# KiCad board Rogelio Pineda part 2v2-AMLDC-2044B.kicad_pcb (continued)
## Routing (per net, layer and track width the routed paths; a pad name or vN(x,y) marks a point on that pad's centre or on a via; arc(x,y) is an arc through that point) (continued)
+V TERM: length 42.2
  Top w0.15: 86.27,185.3 87.29,187.3 87.77,188.58 88.35,190.1 88.66,191.63 89.05,193.41 ; J2.13 81.24,176.38 81.92,176.64 82.46,176.8 83.04,177.12 84.26,178.05 85.37,179.15 85.91,179.62 86.53,180.33 87.57,181.35 89,182.53 v1(90.17,183.48) 90.13,183.59 ; 86.32,185.43 86.12,184.91 85.56,184.02 84.89,182.76 84.12,181.81 83.12,180.87 81.9,180.27 80.61,179.5 J2.11 ; 89.05,193.29 89.63,195.88 89.9,197.21 v1(90.09,197.89) 90.09,198
/A77: length 20.5
  Top w0.15: 87.95,255.19 87.36,256.11 87,256.64 85.43,258.93 83.93,260.86 83.09,261.87 82.31,262.52 81.93,262.84 81.11,263.24 80.32,263.42 76.05,263.42 J1.77 ; 87.9,255.27 88.41,254.02 88.58,253.02 88.79,251.05 R36.1
/B49: length 18.5
  Top w0.15: 92.27,119.5 92.27,119.58 90.56,121.52 90.12,122.1 89.41,122.54 88.29,123.09 86.58,123.14 85.61,122.74 85.02,122.45 84.2,122.17 84.2,122.06 84.07,121.93 v1(83.96,121.93) 83.96,121.83 81.97,119.91 80.74,119.5 J2.49
/C14p2: length 7.6
  Top w0.15: C14.2 222.79,390.45 222.79,389.94 222.08,388.53 220.62,386.03 R29.1
/C31p2: length 3.2
  Top w0.25: C31.2 143.58,379.46 R94.2
/C58p1: length 1.9
  Top w0.25: C58.1 125.48,350.54 R71.1
/C58p2: length 20.8
  Top w0.15: C58.2 132.18,347.64 C59.2 132.12,345.88 131.92,341.89 131.92,335.28 C60.2 132.09,331.41 132.09,330.72 C61.2
/C59p1: length 1.7
  Top w0.25: C59.1 125.78,347.69 R51.1
/C60p1: length 2
  Top w0.25: R53.1 125.56,332.92 C60.1
/C61p1: length 2
  Top w0.25: R33.1 125.56,329.74 C61.1
/Pad6p6: length 2.6
  Top w0.15: 273.98,295.5 273.98,295.59 v1(274,295.61) 273.98,295.64 273.98,296.78 273.97,296.79 274.23,297.05 UG4.6
/Pad14p14: length 6.1
  Top w0.15: C12.2 269.12,308.81 267.88,308.61 267.4,308.37 267.39,308.36 267.04,308.02 266.84,307.71 266.61,307.27 UG4.14
/Pad15p15: length 2.7
  Top w0.15: C12.1 264.07,307.95 UG4.15
/Pad77: length 0.1
  Top w0.15: 88.78,248.29 R35.2
/R9p2: length 5
  Top w0.15: R9.2 162.36,351.52 161.19,350.35 160.58,349.49 C43.1
/R10p2: length 3.2
  Top w0.25: 143.38,368.69 143.43,368.74 v2(143.43,368.79) 143.48,368.79 143.53,368.84 R10.2
/R13p2: length 1.9
  Top w0.15: C15.1 201.71,366.69 R13.2
/R34P1: length 23
  Top w0.15: R34.1 86.23,237.93 87.21,236.9 87.76,236.04 R35.1 89.8,233.12 90.3,232.32 90.56,231.89 R15.1 92.59,228.91 92.66,228.77 R16.1 93.93,218.05 v1(94.06,217.92) 94.19,217.8
/R50P2: length 17
  Top w0.15: CR3.1 182.07,379.58 181.95,374.78 181.89,374.03 181.88,373.9 C28.2 181.05,371.68 179.26,369.62 178.43,368.31 177.18,366.37 v1(177.04,364.77)
/R56P2: length 14.5
  Top w0.15: R92.2 93.1,258.6 91.87,260.21 R17.2 90.38,262.53 90.08,263.02 ; R56.2 85.93,268.77 87,267.58 87.53,266.74 88.78,265.1 R36.2 90.23,262.79
/UG4A: length 5.7
  Top w0.15: 280.39,295.44 280.28,295.34 v1(280.2,295.34) 280.2,295.25 279.52,295.27 277.87,295.39 277.35,295.74 277.32,295.74 277.15,296.08 276.85,296.6 276.77,296.69 UG4.7
B1p2: length 12.5
  Top w0.25: UB1.2 150.32,389.4 148.73,390.64 147.58,391.04 146.48,390.94 145.18,390.44 143.65,389.31 R38.2 143.65,385.86 C45.2
B1p3: length 54.5
  Top w0.2: UE1.3 153.85,338.86 154.36,341.67 154.51,347.65 154.42,349.01 154.79,351.91 155.46,353.89 UD1.4 155.8,356.61 155.79,358.17 155.6,358.53 155.62,358.81 154.79,360.13 154.36,360.93 154.36,364.33 154.4,365.25 154.44,364.76 154.44,371.35 154.37,371.42 154.37,379.53 154.39,379.54 154.47,382.82 154.67,384.4 153.69,386.93 152.86,387.66 UB1.3
B1p9: length 6.4
  Top w0.25: UB1.9 160.48,396.96 160.95,397.43 160.97,397.66 R77.2 164.88,399.14 C16.1
B1p10: length 11.9
  Top w0.25: 157.94,395.98 158.25,397.83 157.15,399.16 156.27,399.46 155.25,399.56 153.91,399.6 R77.1
B1p12: length 38.3
  Top w0.25: UD1.8 163.11,364.03 161.1,365.34 159.71,366.7 159.37,367.98 159.23,371.5 159.32,376.66 159.37,385.59 159.16,390.8 158.53,392.04 157.31,392.74 154.79,393.67 153.41,394.66 UB1.12
B1p13: length 33.9
  Top w0.25: UB1.13 151.62,392.24 151.53,386.39 151.48,385.27 151.16,383.3 151.74,380 151.97,378.2 151.85,378.08 151.85,366.44 151.76,366.36 152,364.85 152.92,363.79 UD1.12
B2p4: length 7.4
  Top w0.15: UB2.4 196.15,387.41 195.72,387.14 195.18,386.03 194.52,385.38 193.87,385.1 193.01,384.79 R70.1
B2p5: length 11.3
  Top w0.15: UB2.5 198.78,387.14 199.1,386.71 199.64,385.94 200.69,384.54 201.2,384.18 202.18,383.34 202.24,383.34 202.24,383.13 C13.1 R70.2
B2p10: length 8.7
  Top w0.15: UB2.10 198.69,397.39 199.28,397.96 200.09,398.62 200.7,398.89 201.5,399.14 201.5,399.14 R91.2 204.15,398.94 C30.1
B2p11: length 8.1
  Top w0.15: R91.1 191.99,399.28 192.96,399.28 193.73,399.25 194.61,398.62 196.15,397.45 UB2.11
B2p13: length 50.7
  Top w0.15: UD2.13 191.07,363.04 190.95,363.39 190.97,363.8 190.72,364.52 190.31,365.7 190.24,366.29 189.88,369.28 189.79,369.37 189.79,372.83 189.81,372.86 189.88,379.17 189.36,382.25 189.25,383.75 189.38,384.92 189.5,386.17 189.84,387.59 189.88,390.31 190.81,391.51 192.3,392.46 ; 192.78,391.31 193.44,391.51 193.93,391.67 196.36,392.48 198.92,393.1 200.59,394.32 201.04,395.9 UB2.9 ; 192.78,391.31 192.89,390.9 193.23,389.97 UB2.3 ; 192.78,391.31 192.39,392.3 192.3,392.46 ; 192.3,392.46 192.12,392.73 191.81,393.87 191.53,394.73 UB2.13
B3p6: length 11.1
  Top w0.25: UB3.6 UB3.5 239,385.16 237.73,383.89 234.83,383.89 233.92,384.8 UB3.3
B3p8: length 16.7
  Top w0.25: UB3.8 UB3.9 241.54,392.75 239.83,391.04 235.13,391.04 233.92,392.25 UB3.12 UB3.13
B3p10: length 2.5
  Top w0.25: UB3.10 UB3.11
B4p1: length 23.8
  Top w0.15: UC4.9 273.81,378.06 272.78,379.27 271.83,379.88 270.96,380.95 270.92,382.53 271.15,384.16 UB4.5 271.5,386.36 269.87,388.08 268.24,388.49 267.64,388.57 264.49,388.51 263.95,388.34 263.52,388.12 262.97,387.82 262.67,387.57 262.52,387.37 261.72,386.71 261.72,386.05 UB4.1 261.34,386.13
B4p6: length 4.4
  Top w0.15: C42.1 273.17,382.68 273.57,383.64 UB4.6
B4p7: length 4.8
  Top w0.15: C42.2 278.1,382.57 276.64,384.61 UB4.7
B4p10: length 33.4
  Top w0.15: UB4.10 275.91,391.4 275.35,389.75 275.32,384.56 275.35,384.54 275.35,380.55 275.37,380.52 275.37,375.11 275.35,365.59 274.98,364.32 274.53,362.73 274.4,362.55 UD4.9
B4p14: length 6.5
  Top w0.15: C41.2 269.67,396.65 267.68,396.3 266.63,395.39 266.43,393.3 UB4.14
B4p15: length 2.9
  Top w0.15: 264.12,396.05 C41.1 264.08,393.49 UB4.15
B5p1: length 33.9
  Top w0.15: UD5.1 299.5,353.68 299.8,355.44 300.13,356.73 300.2,357.98 300.24,358.53 300.23,359.27 300.11,359.91 300.13,360.38 300.15,361.22 299.45,363.68 299.59,364.12 299.84,365.68 300.22,367.21 300.25,380.71 300.26,380.72 ; 300.25,380.49 300.26,381.04 299.88,382.56 299.56,383.66 299.25,384.11 298.98,384.29 UB5.1
B5p2: length 9.1
  Top w0.15: UB5.2 301.52,384.33 301.56,384.11 301.66,383.52 301.96,382.26 301.8,379.56 301.59,378.31 UC5.13
B5p10: length 7.7
  Top w0.15: UB5.10 308.98,391.66 308.91,386.48 UB5.5
B6p6: length 7.7
  Top w0.15: UB6.6 356.23,386.2 356.05,386.64 355.97,391.49 UB6.9
B6p11: length 9.5
  Top w0.15: UB6.2 346.43,386.67 346.64,387.24 347.37,387.96 349.05,389.07 349.73,389.83 350.23,390.45 350.31,390.65 350.77,391.73 UB6.11
B8p12: length 9.3
  Top w0.15: UB8.12 421.21,391.34 420.44,390.37 420.44,390.34 419.95,389.95 418.99,389.01 418.35,388.28 417.69,387.36 417.13,386.02 UB8.1
B15: length 17.4
  Top w0.15: 90.47,181.24 90.44,181.2 v1(90.44,181.16) 90.4,181.16 89.97,180.73 88.65,178.42 86.8,176.6 86.46,176.15 86.04,175.78 85.56,175.39 84.95,174.75 83.5,173.96 81.73,173.41 77.11,173.28 J2.15
B19: length 15.2
  Top w0.15: 91.67,168.29 v1(91.48,168.29) 91.21,168.29 89.67,168.24 88.55,168.04 88,167.87 86.83,167.77 85.48,167.61 84.22,167.45 81.68,167.12 J2.19
B23: length 16.5
  Top w0.15: 84.68,162.72 86.62,163.61 89.15,164.75 90.04,165.05 90.98,165.59 v1(91.71,165.9) 91.71,165.94 ; J2.23 81.65,160.98 82.75,161.59 83.64,162.11 84.82,162.81
B25: length 17.2
  Top w0.15: J2.25 81.17,157.47 82.33,157.71 83.53,158.18 ; 91.9,163.62 91.83,163.62 v1(91.75,163.54) 91.67,163.62 90.88,163.32 89.91,162.55 89.41,162.22 88.75,161.9 88.23,161.65 87.81,161.3 87.05,160.62 86.26,160.04 84.42,158.75 83.51,158.18
B27: length 17.6
  Top w0.15: 87.65,156.82 87.37,156.62 85.6,155.32 83.38,154.63 81.6,154.26 J2.27 ; 87.56,156.75 89.15,158.49 89.91,159.27 90.11,159.49 90.63,160.01 v1(91.83,160.64) 91.9,160.68
C0p5: length 28.2
  Top w0.25: UC0.5 122.28,375.09 123.01,376.97 123.93,379.19 123.18,383.19 120.63,386.99 117.29,389.85 R19.1
C0p9: length 17.6
  Top w0.25: 122.64,379.37 122.17,380.14 121.93,381.04 121.23,381.99 120.78,382.34 119.18,383.14 117.18,383.54 114.03,384.04 R49.1 111.18,387.69 CR1.1
C2p2: length 4.3
  Top w0.15: UC2.2 190.98,371.88 191.04,372.58 191.1,374.49 191.08,374.51 v1(191.08,374.62) 190.97,374.62 190.95,374.64
C2p6: length 8.5
  Top w0.15: C15.2 206.91,367.29 206.27,367.38 203.96,367.76 202.22,368.64 201.61,369.17 201.14,369.63 UC2.6
C2p13: length 12.3
  Top w0.15: UC2.13 196.06,377.68 197.42,376.32 198.21,376 199.05,375.93 200.12,375.8 202.08,375.84 204.42,375.91 205.1,376.14 205.82,376.91 UC2.9
C2p14: length 6.2
  Top w0.15: C29.2 196.15,381.87 194.55,380.58 194.09,380.06 193.52,379.1 UC2.14
C3p5: length 30.9
  Top w0.15: UC3.5 239.21,370.47 239.68,369.58 240.1,367.35 240.19,365.37 240.19,362.79 240.21,362.76 240,361.46 238.51,359.53 236.14,358.5 235.21,357.43 235,348.98 234.67,347.68 234.35,346.12 234.18,345.21 233.99,344.56 UE3.12
C3p9: length 13.8
  Top w0.15: UC3.2 231.9,373.2 232.21,374 233.39,375.31 235.66,375.93 238.92,376.55 240.29,377.23 240.94,378.17 UC3.9
C3p13: length 5.6
  Top w0.15: 230.1,374.28 230.04,374.22 v1(230.04,374.31) 230.13,374.31 230.47,375.46 230.94,377.23 231.06,377.61 UC3.13
C4p1: length 11.5
  Top w0.15: UC4.1 261.53,369.5 262.39,370.44 262.67,372.42 262.89,373.09 262.91,374.5 262.98,375.26 v1(262.81,380.07) 262.81,380.13 262.85,380.17
C4p3: length 16.8
  Top w0.15: UD4.2 264.47,354.46 264.89,355.57 265.22,357.97 265.35,358.71 265.47,361.14 265.39,361.22 265.39,363.58 265.35,364.21 265.39,366.2 265.98,367.29 UC4.3
C4p5: length 9.2
  Top w0.15: UC4.5 271.35,367.5 270.9,366.41 270.39,364.95 269.77,363.39 269.45,362.16 UD4.11
C4p13: length 7.6
  Top w0.15: UC4.13 264.15,375.8 264.17,372.79 UC4.2
C5p3: length 19.8
  Top w0.15: UD5.5 309,353.63 309.03,354.15 309.03,354.17 309.25,355.04 309.36,355.65 309.71,356.37 309.79,357.38 v1(310,357.7) 310.02,357.73 310.09,362.02 310,362.78 309.62,363.85 309,364.53 308.22,364.98 307.76,365.19 306.94,365.31 306.26,365.54 305.48,365.89 304.32,366.97 304.11,367.78 UC5.3
C5p4: length 39.4
  Top w0.15: UD5.10 313.5,362.18 313.02,363.72 310.61,365.24 309.78,365.69 308.26,366.42 307.86,366.8 307.81,366.8 306.87,367.74 306.87,368.15 UC5.4 306.4,369.87 306.42,369.89 305.96,371.18 305.61,372.08 305.16,372.63 305.13,372.69 304.57,372.95 303.68,372.92 302.7,372.21 302.69,367.11 302.83,364.02 302.66,362.69 302.52,358.35 302.32,357.58 302.14,356.25 302,355.88 301.82,354.81 301.55,353.33 UD5.2
C6p11: length 8.7
  Top w0.15: UC6.11 350.95,377.63 350.53,378.4 350.09,378.85 349.57,379.3 348.68,379.55 348.09,379.64 347.25,379.77 345.21,379.84 v1(344.67,379.6) 344.63,379.55
C7p5: length 18.5
  Top w0.15: UC7.5 389.77,367.8 389.46,367.03 389.14,366.64 388.78,366.01 388.24,365.22 388.07,365 387.77,364.56 387.55,364.2 387.08,363.41 386.77,362.26 386.61,361.31 386.73,360.72 386.66,360.27 386.36,358.75 385.84,357.64 385.3,356.43 384.4,355.03 383.95,354.11 383.57,353.56 UD7.2
C7p11: length 26.8
  Top w0.15: UC7.11 388.48,375.44 389.2,374.41 390.08,373.3 390.27,372.91 390.99,371.84 391.59,370.22 391.68,369.51 391.62,366.9 391.5,366.23 391.32,365.32 391.06,364.72 390.49,363.75 389.29,362.18 389.08,360.52 389.08,359.89 389.08,358.51 388.69,357.51 387.7,355.82 387.23,355.2 386.96,354.72 386.43,354.03 385.88,353.36 UD7.3
C7p12: length 7.7
  Top w0.15: UC7.3 385.61,370.39 385.71,374.96 385.71,375.95 UC7.12
C7p13: length 13.6
  Top w0.15: 385.13,363.1 v1(385.13,363.12) 384.94,363.78 384.91,363.96 384.65,365.3 384.42,366.14 384.24,367.55 384.29,369.95 384.33,372.68 384.25,373.33 383.97,374.71 382.92,375.99 UC7.13
C8p5: length 19
  Top w0.15: UC8.5 426.71,367.49 427.46,366.54 428.03,365.89 428.73,365.14 429.39,364.41 429.95,363.47 430.07,362.39 430.34,361.44 430.47,359.38 429.71,357.92 428.5,356.2 427.65,354.84 427.37,354.32 426.77,353.45 UD8.5
C8p8: length 19.6
  Top w0.15: UC8.8 430.73,375.36 430.37,375.01 429.72,374.53 428.32,373.35 427.67,373.06 426.62,372.4 426.3,372.07 426,371.71 425.53,370.9 425.22,370.43 425.07,366.5 424.83,365.51 424.68,364.6 424.36,363.13 424.24,362.43 UD8.11
C8p10: length 17.8
  Top w0.25: UB8.11 426.11,390.37 427.41,388.79 427.93,385.97 428.13,384.94 427.78,381.92 427.48,380.47 427.28,379.44 426.84,375.94
D0p2: length 12
  Top w0.2: UD0.2 112.38,355.94 112.1,357.36 111.58,360.44 111.28,362.4 111.25,364.23 111.53,364.98 v1(112.39,366.78) 112.48,366.81
D0p3: length 7.5
  Top w0.2: UD0.3 114.66,353.5 114.15,352.68 113.46,352.05 112.74,351.53 111.37,350.81 110.49,350.91 R71.2
D0p9: length 43
  Top w0.25: UD0.13 113.23,362 113.83,360.99 114.98,360.49 121.73,360.34 ; 121.73,360.34 UD0.9 ; 121.73,360.34 121.28,358.94 120.53,356.59 120.39,355.62 UD0.5 121.88,347.14 122.43,345.89 122.58,345.34 122.64,345.29 122.64,343.66 122.03,342.59 121.43,341.79 120.68,341.39 119.93,341.24 119.18,341.19 118.03,341.14 115.88,341.19 113.93,341.54 112.48,343 112.48,343.66
D0p10: length 8.4
  Top w0.25: UD0.10 120.28,365.09 121.63,366.49 v2(123.83,366.79) 123.93,366.79 v2(125.73,366.84) 125.78,366.84
D1p3: length 40.1
  Top w0.15: UF1.4 155.23,318.66 154.9,319.22 154.84,319.32 154.44,319.68 153.52,320.6 152.53,321.95 151.78,323.53 151.84,325.34 151.94,325.44 151.61,331.66 151.18,332.54 150.89,335.83 UE1.2 151.38,338.83 151.91,341.59 151.88,346 151.84,348.99 151.94,351.65 152.92,353.98 UD1.3
D1p9: length 66.2
  Top w0.15: 155.71,300.72 158.32,304.12 159.34,306.23 159.57,310.21 158.35,312.58 157.96,313.41 157.58,314.15 157.19,315.69 156.92,316.47 156.92,320.57 156.91,320.57 156.92,320.99 156.92,327.82 157,327.9 156.49,330.75 156.49,332.68 157.29,334.79 UE1.5 157.55,338.32 157.06,339.86 156.87,345.46 155.69,347.32 155.46,349.34 155.72,350.88 156.55,352.32 158,353.77 UD1.5 158.6,356.81 159.41,358.48 v1(159.62,359.41) UD1.9
D2p2: length 4.6
  Top w0.15: C44.1 190.07,352.29 191.07,353.29 UD2.2
D2p4: length 56.7
  Top w0.15: 193.52,367.15 192.65,368.41 192.47,368.88 192.42,368.92 192.42,381.16 192.69,381.69 193,382.33 194.02,383.51 194.16,383.64 194.68,384.19 195.92,385.04 197.03,385.23 198.44,384.86 200.75,382.44 v1(200.63,382.27) 200.75,382.25 ; 194.95,338.86 194.93,338.88 v1(194.93,338.94) 194.86,338.94 194.84,338.96 194.84,346.11 194.49,347 194.18,347.97 193.17,349.54 193.27,350.8 193.93,351.79 195.21,352.91 195.88,353.2 195.88,353.75 UD2.4 196.06,354.11 196.06,355.14 195.86,356.3 195.71,357.15 195.36,358.26 195.13,359.34 195.03,359.44 195.03,364.69 194.06,366.28 193.46,367.21
D2p5: length 49.2
  Top w0.15: 195.03,332.56 193.79,331.24 192.53,329.27 192.22,321.79 192.19,321.05 192.19,317.92 192.35,317.48 192.74,314.56 193.16,313.46 194.69,311.25 196.15,309.7 UG2.11 ; 195.03,332.56 197.23,334.84 197.44,337.42 197.44,343.12 197.39,343.75 197.41,349.91 198.18,351.42 ; 195.03,332.56 195,332.43 ; 198.07,351.39 198.52,352.97 UD2.5
D3p6: length 7.9
  Top w0.15: UD3.6 240.89,352.96 239.96,350.61 239.61,350.19 239.14,348.87 C27.1
D3p7: length 7.7
  Top w0.15: C27.2 245.01,349.4 244.68,351.08 244.31,352.59 244.12,353.43 UD3.7
D3p10: length 11.2
  Top w0.15: UD3.10 243.42,361.46 242.38,360.25 240.63,358.97 238.65,357.83 236.88,356.57 UD3.4
D3p14: length 6.1
  Top w0.15: C25.2 236.28,366.33 235.12,365.64 ; UD3.14 233.76,363.93 235.2,365.69
D3p15: length 3.5
  Top w0.15: UD3.15 231.22,363.77 231.27,364.14 C25.1
D5p6: length 5.8
  Top w0.15: UD5.6 311,352.04 310.88,350.84 310.05,350.06 310.05,350.04 309.54,349.77 309.35,349.75 308.66,349.75 308.65,349.74 C24.2
D5p7: length 2.7
  Top w0.15: C24.1 313.72,351.13 UD5.7
D5p14: length 5.8
  Top w0.15: C40.1 306.53,363.25 305.4,362.81 304.85,362.42 304.42,361.94 304.04,361.49 303.74,361.18 UD5.14
D7p5: length 11.7
  Top w0.15: UD7.5 390.51,350.8 390.67,350.2 390.96,349.02 391.3,347.76 391.38,347.19 391.69,346.08 391.9,345.45 392.02,344.9 392.27,343.52 392.45,343.02 392.53,342.65 392.61,341.9 UE7.9
D7p10: length 20.7
  Top w0.15: UE7.8 395.04,342.04 394.93,342.96 ; UD7.10 390.34,359.55 391.03,359.03 391.81,358.14 392.09,357.74 392.35,357.45 392.75,356.99 393.26,356.23 393.65,355.55 393.86,354.98 394.11,354.06 394.09,349.48 394.15,348.69 394.28,347.97 394.31,346.96 394.41,346.29 394.5,345.81 394.64,344.83 394.8,343.76 394.97,342.67
D7p12: length 13.1
  Top w0.15: UD7.12 384.9,359.48 384.76,358.81 384.21,358.13 383.86,357.9 383.56,357.59 383.13,357.16 382.08,355.61 381.94,354.59 381.98,353.16 381.51,352.85 381.73,351.4 381.95,351.24 381.93,350.6 v1(381.81,348.38) 381.93,348.33
D8p9: length 13.4
  Top w0.15: UD8.2 419.5,353.12 419.76,353.62 420.46,354.24 422.24,355.1 423.13,355.36 424.84,355.81 426.45,356.48 427.77,357.59 428.23,358.24 428.45,358.76 UD8.9
D8p13: length 11.2
  Top w0.15: UD8.13 418.91,358.56 418.62,357.97 418.49,357.39 418.11,356.53 418.02,349.29 417.72,349 v1(417.72,348.94) 417.67,348.94 417.6,348.87
DCHI: length 244.4
  Top w0.15: v1(102.46,356.67) 103.17,355.61 103.57,354.38 104.39,351.14 104.41,349.86 104.45,349.34 104.42,349.04 104.39,347.05 103.93,345.25 101.37,340.73 99.86,338.32 99.33,336.84 98.88,333.56 98.57,330.95 98.5,330.57 98.37,330.02 97.76,327.92 97.44,326.84 97,325.5 96.45,323.74 95.65,320.22 95.53,307.8 95.57,305.68 96.66,303.08 96.86,302.85 97.07,302.44 99.62,298.23 100.16,296.04 100.36,294.88 100.68,289.23 101.17,287.81 101.06,283.03 100.43,280.16 100.43,276.86 100.37,276.8 100.54,266.61 100.57,264.87 101.05,261.35 102.04,259.34 101.96,259.45 103.22,257.57 104.58,253.85 104.72,253.6 104.72,251.1 ; 104.72,251.19 104.75,248.43 104.74,248.06 104.59,241.64 104.45,237.69 104.17,234.7 104.01,233.21 103.73,230.82 103.62,230.31 103.27,227.91 102.96,225.87 102.98,225.96 102.79,224.7 102.52,222.9 101.97,219.49 101.76,218.5 101.45,216.6 101.16,215.5 100.95,214.52 100.49,211.07 100.37,209.12 100.43,208.4 100.7,205.88 100.96,204.57 101.18,202.05 101.3,199.82 101.65,196.38 101.79,193.24 101.79,191.18 101.6,190.49 101.53,189.37 100.77,187.27 100.04,185.44 99.48,184.23 98.53,182.32 97.48,180.1 96.91,178.46 96.82,177.35 96.98,175.56 97.62,173.14 97.74,172.4 97.82,171.81 97.99,170.97 98.16,169.86 98.11,166.91 97.94,165.52 97.34,162.44 96.82,159.83 96.95,156.4 96.98,156.37 97.11,154.11 97.18,153.65 97.38,151.15 97.36,150.45 97.44,149.77 97.61,145.81 97.58,143.17 97.68,141.35 97.5,140.36 96.75,139.65 95.9,139.29 95.1,139.11 92.86,138.85 92.12,138.81 90.79,138.69 90.13,138.7 89.53,138.71 89.02,138.66 88.23,138.63 87.7,138.53 86.3,138.36 86.26,138.33 85.68,138.34 84.58,138.21 83.99,138.17 77.18,138.17 J2.37
DCHO: length 238.1
  Top w0.15: 102.16,234.93 102.44,237.59 102.54,238.59 102.66,239.67 102.78,241.3 102.8,241.73 102.8,247.14 102.78,247.7 102.74,248.75 102.75,252.61 102.49,253.88 101.17,257.18 100.77,258.07 100.4,258.66 100,259.53 99.24,260.93 98.9,262.3 98.86,262.49 98.53,266.01 98.64,269.62 98.53,273.78 98.53,274.37 98.56,274.95 98.65,280.24 98.72,280.67 99.07,281.92 99.22,282.29 99.37,283.87 99.37,284.66 99.24,285.92 ; 99.24,285.82 99.08,288.62 98.98,289.3 98.8,291.35 98.57,292.25 98.39,293.15 97.36,295.23 96.86,295.95 96.26,297.02 96.29,300.95 96.07,301.57 95.5,303.26 95.14,304.59 94.78,305.62 94.8,320.45 94.95,321.25 95.22,323.34 95.53,324.47 95.91,326.19 97.02,329.27 97.43,330.93 97.56,331.59 97.56,332.42 97.78,332.99 97.85,334.31 98.04,336.45 99.33,340.01 99.73,340.79 100.59,342.64 100.89,343.33 101.65,344.91 101.71,345.38 101.89,345.94 101.79,347.22 101.71,347.63 101.65,348.82 101.25,350.7 100.76,353.1 100.62,353.55 100.4,354.85 100.28,356.7 100.66,358.39 100.83,358.81 101.18,359.76 v1(101.16,359.78) 101.18,359.81 101.18,359.84 ; J2.33 81.82,144.54 85.97,144.67 89.74,144.85 92.01,144.95 93.35,145.17 93.65,145.27 94.64,145.55 95.38,146.25 95.69,147.79 95.51,150.76 95.32,151.59 94.89,156.53 94.8,158.51 95.27,162.04 95.69,164.03 96,165.92 96.21,167.12 96.22,170.28 95.06,175.42 94.78,177.51 94.96,178.59 95.55,180.07 95.94,181.49 96.63,182.67 97.15,183.82 97.8,185.29 98.44,186.7 98.7,187.48 98.99,188.17 99.35,188.88 99.9,191.2 99.86,192.15 99.87,192.66 99.79,194.18 99.79,195.2 99.78,195.36 99.72,196.72 99.63,197.54 99.59,198.38 99.02,204.11 98.62,206.88 98.55,207.43 98.42,208.76 98.39,209.41 98.47,210.19 98.48,210.99 99.55,218.06 99.96,220.39 100.37,222.6 100.8,225.44 101.23,228.25 101.5,229.96 101.64,230.66 102.05,234.26 102.18,235.12
DISK0 ACT: length 35.1
  Top w0.15: 92.43,317.24 v1(92.31,317.12) 91.94,315.77 91.15,313.64 90.04,310.42 89.35,308.45 88.43,305.76 87.11,302.07 86.43,300.34 85.52,298.06 83.99,294.83 83.72,294.48 83.29,293.79 80.92,290.37 79.68,289.12 J1.61
DISK1: length 28.5
  Top w0.15: 87.68,242.3 86.32,243.66 86.15,243.95 85.8,244.4 84.51,245.96 84.18,246.33 83.89,246.73 83.53,247.41 82.93,248.45 82.42,249.26 81.97,249.77 81.82,249.89 80.66,250.57 76.02,250.75 J1.85 ; 87.6,242.38 88.87,240.8 89.24,240.45 89.85,239.76 90.23,239.28 91.07,238.33 91.69,237.61 92.08,237.22 93.64,235.67 95.02,234.55 95.51,234.12 v1(96.28,233.73) 96.39,233.84
DISK2: length 26.7
  Top w0.15: R16.2 92.22,241.52 90.43,242.55 89.07,243.91 88.27,244.78 87.54,246.01 86.7,247.29 ; 83.84,252.04 83.06,253.29 82.71,254.32 81.91,255.4 81.58,255.8 81.11,256.55 80.23,257.12 J1.81 ; 83.89,251.94 84.37,251.11 85.14,249.61 85.92,248.36 86.95,246.94
DISK NEW REQ: length 34.7
  Top w0.15: J1.59 75.78,292.26 80.35,293.05 81.82,293.76 83.35,295.87 84.24,298.25 85.11,300.93 85.86,304.24 86.16,305.42 87.42,310.22 88.34,312.61 88.97,314.63 89.3,315.4 89.69,316.97 90.86,318.62 v1(92.13,319.73) 92.13,319.79
DISK PRES REQ: length 34.5
  Top w0.15: J1.57 79.94,295.9 80.52,295.92 81.28,296.16 82.74,297.58 83.21,298.94 83.87,300.8 84.35,302.84 85.9,308.9 86.35,310.26 86.8,311.81 87.14,312.91 87.56,313.76 88.03,315.15 88.35,316.16 89.54,319.17 90.15,319.87 90.43,320.2 91.14,321.05 91.4,321.3 92.26,322.29 v1(92.26,322.31) 92.29,322.31 92.3,322.32
DISK WR DATA: length 62.8
  Top w0.15: 92.56,304.06 92.56,304 v1(92.5,303.94) 92.56,303.88 92.56,303.75 92.16,303.72 91.64,303.53 91.25,303.06 90.92,302.81 88.42,300.08 88.09,299.56 87.52,298.63 86.57,296.95 85.1,294.13 83.69,291.97 82.83,290.24 81.68,288.45 79.18,285.94 J1.63 ; 95.8,283.2 95.04,282.31 94.82,282.15 94.28,281.78 91.67,279.81 90.86,279.25 89.75,278.42 87.67,276.76 85.9,275.45 85.42,275.1 83.39,273.41 82.62,273.06 82.11,272.95 81.39,272.89 76,273 J1.71 ; 95.7,283.1 96.05,283.45 96.25,283.88 96.55,285.36 96.5,286.48 96.47,286.92 96.53,287.26 96.44,287.96 96.41,288.39 96.23,289.74 95.82,290.25 95.46,290.86 95.12,291.3 94.69,291.77 94.57,291.99 93.58,293.47 93.23,293.94 v1(92.95,294.32) 92.88,294.25
DSK SEL: length 28.8
  Top w0.15: J1.67 75.89,279.72 80.18,279.72 80.18,280.22 81.19,280.89 ; 92.76,299.19 v1(92.79,299.07) 92.47,298.55 91.89,298.01 91.7,297.95 91.51,297.8 91.12,297.31 89.64,295.95 89.07,295.48 88.23,294.48 86.64,292.8 85.78,291.52 85.37,290.8 84.95,290.27 83.66,287.29 83.65,286.55 83.53,285.7 83.46,285.11 ; 81.15,280.84 82.36,282.06 82.87,282.76 83.05,283.09 83.3,284.28 83.47,285.2
DSK ~{RST}: length 28.1
  Top w0.15: 91,250.29 90.69,252.34 90.38,253.71 89.94,255.26 88.7,257.65 88.3,258.38 87.6,259.45 86.84,260.79 86.66,261.04 85.78,262.2 84.62,263.55 83.61,264.77 80.79,266.43 80.28,266.5 J1.75 ; 90.97,250.49 91.05,249.67 91.11,249.24 R17.1
E0p3: length 6.7
  Top w0.25: R53.2 111.51,332.96 113.44,333.8 114.43,334.36 115.02,334.95 UE0.3
E0p6: length 11.6
  Top w0.25: UF0.9 122.47,325.61 122.08,328.64 122,330.39 121.99,331.83 122.29,335.69 122.64,336.04
E0p11: length 9.6
  Top w0.25: 117.56,343.66 117.56,345.35 117.22,345.54 116.34,346.26 114.78,347.23 112.82,347.65 112.78,347.69 R51.2
E1p8: length 37.5
  Top w0.15: UG1.9 160.79,309.8 160.74,309.85 160.45,311.61 159.84,313.21 159.55,315.21 159.46,315.31 159.46,317.52 159.53,317.59 159.53,319.02 159.62,319.11 159.62,322.3 159.42,322.5 159.42,325.86 159.53,326.46 159.53,333.69 159.46,333.76 159.49,333.78 159.49,336.25 159.46,337.63 159.53,338.58 160.06,339.5 160.76,340.43 162.92,342.89 162.92,343.4 UE1.8
E1p9: length 6.9
  Top w0.15: UE1.9 160.59,343.91 160.59,344.94 159.57,345.7 159.28,345.77 158.39,346.62 157.73,347.12 v1(157.24,349.06) 157.2,349.02
E2p12: length 21.2
  Top w0.15: UE2.12 193.4,344.61 193.78,344.99 193.32,346.41 192.76,348.22 192.01,349.9 191.99,351.57 192.37,354.06 192.35,356.06 192.39,356.62 v1(192.39,364.43) 192.44,364.52
E2p13: length 4.7
  Top w0.15: UE2.13 190.86,344.82 191.06,345.02 191.02,345.06 v1(190.98,348.43) 191.02,348.47
E3p1: length 13.4
  Top w0.15: 230.38,348.95 v1(230.27,348.98) 230.3,341.44 229.99,339.81 229.92,339.09 229.48,337.58 228.91,337.2 UE3.1
E3p2: length 37.5
  Top w0.15: UG3.3 233.64,302.43 233.43,303.1 233,304.93 232.79,306.85 232.76,307.23 232.64,312.97 232.64,313.83 ; UE3.2 231.93,335.62 232.16,334.71 232.81,333.71 233.19,332.85 233.85,331.36 234.96,328.57 235.35,325.61 234.78,322.59 233.63,321 232.8,318.67 232.62,313.52
E4p3: length 9.5
  Top w0.15: UE4.3 266.76,334.71 267.47,335.25 268.15,336.12 268.66,336.44 269.34,336.75 271.27,337.37 273.84,337.45 v1(274.2,337.44) 274.22,337.46
E4p4: length 12.7
  Top w0.15: UF4.13 264.27,323.48 264.35,323.83 264.8,325.18 265.49,326.55 266.2,327.56 267.65,329.97 268.48,331.92 UE4.4
E4p6: length 37.1
  Top w0.15: UE4.6 274.1,333.26 274.1,329.31 273.99,328.94 273.95,328.86 273.95,328.11 v1(273.93,328.08) 273.95,328.06 274.23,327.36 275,325.96 275.43,324.5 275.51,322.79 275.58,320.02 275.43,319.77 275.45,316.72 275.58,314.43 275.51,309.95 275.45,309.43 275.45,306.56 275.4,305.24 275.32,304.8 275.09,304 275.04,303.58 274.79,302.94 273.51,300.94 272.37,299.54 UG4.5
E4p11: length 5.6
  Top w0.15: UE4.11 269.3,342.06 268.86,342.5 268.86,346.27 v1(268.95,346.27) 268.95,346.36 269.03,346.44
E5p4: length 20.2
  Top w0.15: UF5.6 311.03,315.85 310.59,317.01 310.23,318.73 310.15,320.9 309.98,324.19 309.59,325.26 309.15,326.46 308.75,327.36 308.22,328.58 307.83,329.63 307.43,330.87 306.98,331.73 306.7,332.69 UE5.4
E5p9: length 42.5
  Top w0.15: UE5.9 311.84,339.69 312.3,338.66 312.51,338.08 312.59,336.44 312.68,335.58 312.67,335.34 312.7,331.78 312.76,331.25 312.86,329.91 312.97,328.3 313.06,327.18 313.22,326.09 313.66,323.8 313.69,323.15 UF5.8 313.4,320.42 312.76,319.31 312.62,318.34 312.6,317.56 312.56,316.79 312.63,316.39 312.6,312.45 311.76,311.57 310.53,311 307.06,310.93 304.77,311.14 303.68,311.52 302.77,312.1 302.28,312.52 302.11,312.77 301.81,313.07 UF5.2
E5p10: length 35.1
  Top w0.15: 305.05,326.48 305.03,325.57 304.84,324.9 304.58,324.05 304.08,323.05 304.31,322.24 UF5.12 ; 305.05,326.48 306.15,326.38 306.81,326.07 307.3,325.66 307.59,325.09 307.72,318.95 307.87,318.09 308.03,317.01 308.25,316.45 308.47,315.62 UF5.5 ; 305.05,326.48 305.23,328.25 305.17,328.78 305.33,331.15 305.13,332.56 305.21,334.85 305.38,336.31 305.66,336.78 306.06,337.45 306.35,337.73 308.06,339.69 308.28,339.95 308.41,340.71 UE5.10
E5p11: length 57.6
  Top w0.15: UH5.13 301.17,288.64 301.03,289.03 300.72,289.71 300.47,291.02 300.46,291.67 300.46,292.53 300.41,292.83 300.3,296.08 300.16,308.62 299.75,309.33 299.49,309.94 298.97,310.64 298.52,311.18 298.2,311.87 298.13,311.99 297.67,312.97 297.64,313.77 297.54,314.29 297.58,314.85 297.82,315.88 297.99,316.35 298.27,316.75 298.64,317.5 299.25,318.65 299.66,319.31 299.86,319.81 300.26,321.08 300.23,323.84 300.21,324.56 300.2,329.85 300.31,331.45 300.01,334.12 300.5,334.99 300.56,335.31 301.4,336.44 301.83,336.96 302.27,337.39 303.31,338.21 303.79,338.51 304.2,338.79 304.92,339.32 305.96,340.28 UE5.11
E6p2: length 19.6
  Top w0.15: UE6.2 345.82,332.27 346.47,331.37 346.71,329.71 347.12,328.23 347.19,319.46 347.18,319.15 347.11,318.06 346.82,317.07 346.55,316.01 346.45,315.58 346.19,315.14 345.85,314.15 UF6.2
E6p9: length 15.5
  Top w0.15: UE6.9 355.98,342.3 356.41,343.25 356.65,345.77 356.82,346.43 357.07,349.16 357.24,350.92 357.17,356.06 v1(357.08,356.14) 357.05,356.17
E6p11: length 8.1
  Top w0.15: UE6.5 353.34,334.17 352.99,334.77 352.7,335.57 352.25,336.72 351.8,338.2 351.62,338.88 351.3,339.92 UE6.11
E6p13: length 24.2
  Top w0.15: UF6.13 345.87,323.17 345.78,324.56 345.43,326.21 345.38,327.01 345.24,327.87 345.08,328.62 344.89,330.58 344.75,331.35 344.75,335.21 344.83,336.19 344.88,336.39 344.92,337.04 345.09,338.22 345.4,339.22 UE6.13 345.82,342 346.11,342.29 346.11,345.36 346,345.47 v1(345.96,345.47) 345.96,345.51 345.92,345.54
E8p4: length 12.2
  Top w0.15: UF8.12 421.77,323.13 422.03,323.73 422.29,325.41 422.61,326.66 422.95,328.12 423.02,328.43 423.31,329.56 423.47,330.04 423.52,331.2 424.4,332.29 UE8.4
E8p5: length 12.1
  Top w0.15: UF8.9 428.66,322.77 428.27,324.62 427.82,326.61 427.19,329.31 427.05,330.01 427.02,330.45 426.85,330.8 426.69,331.55 426.56,332.08 426.51,332.54 UE8.5
F0p2: length 17
  Top w0.25: UG0.3 UG0.12 114.97,308.25 114.94,309.18 114.44,310.88 113.5,313.89 112.92,315.41 UF0.2
F0p4: length 9
  Top w0.25: UG0.11 117.8,313.77 117.8,315.11 117.83,315.48 117.84,316.05 UF0.4
F1p2: length 17.3
  Top w0.15: UF1.2 150.98,315.83 151.6,314.32 152.2,312.76 152.97,311.01 153.6,309.06 UG1.12 153.77,306.83 154.9,305.8 156.27,305.71 157.03,305.91 157.65,306.42 158.03,306.85 158.26,308.04 UG1.10
F1p6: length 17.8
  Top w0.15: UF1.6 160.54,316.09 161.14,314.71 161.36,313.15 161.49,312.51 161.65,311.63 161.75,310.91 161.97,309.09 161.98,308.66 161.98,307.33 162.01,307.3 161.46,305.61 160.99,304.79 159.98,303.26 159.42,302.57 158.56,301.33 UG1.5
F1p10: length 7.9
  Top w0.15: UF1.10 158.26,324.87 158.26,325.91 157.94,331.78 158.15,332.09 v1(158.07,332.09) 158.07,332.17 158.11,332.13
F1p11: length 6.1
  Top w0.15: 154.75,330.64 v1(154.71,330.6) 154.79,329.09 155.18,327.54 155.46,325.88 UF1.11
F2p1: length 5.2
  Top w0.15: UF2.1 188.64,315.88 188.75,315.64 188.75,314.38 188.83,314.17 188.93,312.62 188.64,312.33 v1(188.51,312.33) 188.51,312.2
F2p2: length 6.5
  Top w0.15: UF2.2 191.12,316.29 191.32,316.09 191.32,315.96 191.61,314.85 192.08,313.33 192.16,312.43 192.35,311.09 v1(192.37,311.07) 192.35,311.04 192.35,310.91
F2p3: length 18.7
  Top w0.15: UF2.3 193.35,318.95 193.16,319.82 193.16,324.25 UF2.12 193.45,326.62 193.5,327.62 193.66,328.38 193.66,328.38 193.77,329.14 194.5,330.17 195.5,330.48 198.02,330.59 v1(199.47,330.27) 199.49,330.3
F2p5: length 7.6
  Top w0.15: UF2.5 198.74,316.18 199.05,315.88 199.73,314.96 200.41,313.98 202.54,311.04 202.54,310.99 v1(202.57,310.96) 202.54,310.94 202.54,310.83
F2p9: length 4.8
  Top w0.15: 201.23,329.46 201.28,329.4 201.28,329.33 v1(201.17,329.22) 201.28,329.11 UF2.9
F2p11: length 3.7
  Top w0.15: 195.08,321.37 v1(195.03,321.39) 195.76,323.73 195.76,324.31 UF2.11
F3p10: length 7.6
  Top w0.25: UF3.7 UF3.10
F4p1: length 11.5
  Top w0.15: v1(262.7,303.09) 262.89,303.7 262.98,306.36 262.58,307.95 262.17,309.48 261.98,310.24 261.81,312 261.79,312.63 UF4.1
F4p3: length 23
  Top w0.15: UF4.3 266.81,313.56 267.68,312.54 268.02,312.17 268.61,311.68 269.21,311.19 270.65,310.37 271.62,309.77 271.97,309.42 272.11,308.89 272.1,307.47 271.69,307.06 UG4.12 271.15,304.15 270.34,303.31 267.85,302.21 267.36,301.87 265.82,300.93 265.35,300.43 264.78,299.87 264.07,298.67 UG4.2
F4p11: length 26.4
  Top w0.15: UG4.4 269.59,299.34 270.1,300.05 270.28,300.28 270.83,301.23 271.34,302.02 272.11,302.87 272.87,304.18 272.94,306.51 272.97,306.91 273.05,310.13 273.03,311.49 272.99,315.46 272.95,316.04 272.42,317.48 271.43,319.17 270.21,320.93 269.35,321.43 UF4.11
F4p12: length 8.1
  Top w0.15: UF4.12 266.24,320.5 265.74,319.46 265.28,317.82 264.61,316.34 UF4.2
F5p9: length 12
  Top w0.15: UF5.9 311.31,322.84 311.13,323.84 310.96,325.05 310.6,325.89 310.34,327.43 310.29,327.83 309.43,330.95 309.07,332.41 UE5.5
F5p11: length 8.1
  Top w0.15: UF5.11 305.93,320.55 305.65,319.82 305.54,319.6 305.1,318.6 304.75,317.79 304.3,316.74 303.85,315.5 303.83,315.11 UF5.3
F5p13: length 42
  Top w0.15: UH5.9 311.29,289.03 311.18,289.82 310.89,290.49 310.66,291.31 310.4,292.58 310.28,293.59 310.16,297.71 310.17,303.83 310.01,306.86 310.01,307.22 309.39,307.97 308.28,308.43 306.78,308.99 305.72,309.24 304.61,309.48 303.67,309.56 302.89,309.76 301.45,310.45 300.57,311.18 300.31,311.5 299.53,312.39 299.12,313.22 UF5.1 299.07,315.38 299.29,315.97 299.66,317.11 300.04,318.04 300.34,318.99 300.75,319.77 300.94,320.42 301.19,320.7 UF5.13
F6p11: length 8.1
  Top w0.15: UF6.11 350.9,321.23 351.1,321.03 351.27,320.76 351.53,320.15 351.78,319.23 352.05,318.36 352.41,317.19 352.74,316.15 UF6.5
F7p2: length 41.3
  Top w0.15: UF7.2 382.43,312.54 382.25,311.79 382.13,311.29 381.75,310.36 381.64,309.84 381.45,308.37 381.45,287.89 381.14,287.58 381.31,286.41 381.48,285.49 381.58,283.33 382.32,281.29 382.46,280.47 v1(382.48,279.89) 382.32,279.59 382.45,278.6 382.33,277.53 381.85,276.03 381.55,274.87 381.4,274.49 381.12,273.8 380.94,273.55 380.99,273.5 v1(380.99,273.44) 381.04,273.44 381.07,273.42
F7p3: length 34.1
  Top w0.15: UF7.3 384.91,312.77 384.45,311.88 384.17,310.65 383.89,309.65 383.89,307.07 383.91,306.75 383.94,306.25 383.91,304.27 383.78,303.85 383.5,301.37 383.28,300.24 383.08,299.28 382.52,298.14 UG7.2 383.01,295.68 383.54,294.82 384.05,294.06 384.54,293.6 384.91,293.1 385.34,292.91 386.46,292.08 387.66,291.35 389.98,290.53 390.3,290.39 392.71,289.68 393.45,289.3 394.21,288.93 394.42,288.36 395.02,287.21
G0p1: length 28.6
  Top w0.25: UG0.1 110.49,300.93 111.11,302.78 111.35,303.46 111.44,320.07 111.48,321.22 111.45,321.85 111.46,325.86 111.49,326.3 111.44,326.69 111.59,327.95 111.98,328.27 v1(111.98,328.36) 112.07,328.36 111.98,328.27
G0p2: length 2.4
  Top w0.25: JP6.1 112.58,298.32 UG0.2
G0p5: length 2.4
  Top w0.25: JP3.1 120.2,298.15 UG0.5
G0p6: length 2.4
  Top w0.25: JP2.1 122.74,298.16 UG0.6
G1p2: length 46.6
  Top w0.15: 149.24,346.65 149.3,346.6 v1(149.35,346.49) 149.27,323.43 149.47,322.91 149.3,322.73 149.24,315.79 149.47,314.32 149.9,312.22 150.41,310.23 UG1.13 150.82,306.96 150.92,301.29 150.63,301 UG1.2
G2p1: length 51.7
  Top w0.15: UK2.13 191.81,256.18 191.97,256.34 192.35,256.99 192.52,257.66 192.88,258.38 192.78,260.93 191.95,261.85 189.7,262.15 188.58,263.19 UJ2.1 188.58,264.37 190.12,265.88 191.44,267.86 192.34,269.95 192.64,274.42 192.85,275.32 192.74,277.31 192.78,277.84 192.55,279.94 192.45,280.54 192.45,292.92 191.9,294.49 191.9,294.68 190.04,297.99 189.35,299.3 188.53,300.12 UG2.1
G2p2: length 57.8
  Top w0.15: 197.93,297.45 199.49,296.83 200.09,296.52 201.57,294.96 202.4,292.25 202.64,289.89 202.61,287.37 202.64,286.43 202.64,279.91 202.58,279.86 202.74,269.8 203.6,268.48 203.58,267.46 202.61,264.86 202.61,261.43 202.94,260.22 203.39,257.86 203.61,257.29 203.72,255.99 203.81,255.89 ; 197.93,297.45 197.23,297.58 195.78,298.18 194.84,299.01 193.61,299.75 UG2.3 UG2.2 ; 197.93,297.45 198.48,298.31 198.69,299.04 UG2.5 ; 203.81,255.89 UK2.8 ; 203.81,255.89 203.8,256.15
G2p6: length 10.8
  Top w0.15: UH2.8 203.86,291.53 203.7,292.23 203.23,293.99 202.53,295.92 201.99,297.61 201.36,299.37 UG2.6
G2p10: length 20.9
  Top w0.15: UG2.10 198.69,309.48 198.26,309.91 198.1,310.52 197.76,311.65 197.42,313.33 197.29,321.18 197.31,326.59 v1(197.15,328.67) 197.23,328.56
G2p12: length 25.2
  Top w0.15: UG2.12 193.84,307.18 193.69,306.42 193.48,305.16 192.85,304.21 191.32,303.71 189.88,304.19 189.43,305 189.64,306.79 189.88,307.52 189.98,310.88 190.11,311.23 190.32,312.38 189.98,315.82 189.69,320 189.06,321.13 v1(189.06,321.55) 189.06,321.52
G2p13: length 2.4
  Top w0.15: 191.03,306.08 v1(190.98,306.08) 190.98,306.02 191.03,306.08 ; 191.03,306.08 191.07,306.12 UG2.13
G3p2: length 10.4
  Top w0.15: UG3.2 231.35,299.38 231.6,299.13 231.55,299.08 UH3.13
G3p8: length 9.5
  Top w0.15: UF3.6 241.78,316.04 241.98,315.14 243.47,311.24 243.62,310.38 243.96,309.93 244.05,309.84 UG3.8
G3p9: length 18.4
  Top w0.15: UH3.8 243.19,294.31 243.01,296.31 242.83,300.23 242.72,305.89 242.7,306.24 242.4,306.85 UG3.9
G3p11: length 17.9
  Top w0.15: UF3.11 241.23,323.94 240.86,322.91 240.5,322.25 240.28,320.11 240.43,317.93 240.28,316.2 239.71,314.21 237.61,310.91 UG3.11
G3p12: length 9.1
  Top w0.15: UG3.12 234.08,312.03 234.13,312.99 234.13,313.64 UF3.3
G5p3: length 5.5
  Top w0.15: UG5.3 303.91,298.37 304.13,298.82 304.04,300.44 303.89,301.81 303.87,302.26 v1(303.75,302.93) 303.75,302.9
G6p1: length 18.3
  Top w0.15: UG6.1 343.19,296.72 343.74,296.17 343.99,294.37 344.24,293.29 344.5,292.63 344.73,290.65 344.72,289.68 344.72,288.52 344.62,287.37 344.68,286.51 344.83,285.83 344.7,285.11 344.53,284.34 344.42,283.72 344.27,282.98 344.1,282.28 343.82,281.36 UH6.1
G6p2: length 57.8
  Top w0.15: 348.52,275.61 349.52,277.37 349.59,294.11 349.74,299.25 349.35,300.78 348.78,301.45 348.02,301.65 347.76,301.65 347.23,301.63 346.81,301.39 346.44,300.74 345.98,299.76 345.82,298.86 345.73,298.77 UG6.2 ; 348.52,275.61 348.76,274.69 349,274.27 349.67,273.41 350.23,272.78 350.23,272.55 350.5,271.95 UJ6.11 350.8,270.3 351.59,269.83 351.94,269.53 352.42,269.01 352.84,268.69 353.28,268.44 353.7,267.88 353.94,267.55 354.19,267.15 354.47,266.63 354.47,258.51 354.14,258.18 v1(354.07,258.18) 354.07,258.12 354.11,258.15 ; 348.52,275.61 348.15,275.6 347.95,276.07 347.32,276.84 346.52,278.16 UH6.2
G6p3: length 10.5
  Top w0.15: UG6.3 348.27,296.77 348.76,295.86 348.87,289.35 348.26,288.74 UH6.12
G6p6: length 10.2
  Top w0.15: UH6.9 355.61,288.5 355.74,295.64 355.74,296.39 355.89,296.54 UG6.6
G6p12: length 16
  Top w0.15: 353.27,290.66 353.24,290.69 v1(353.24,290.72) 353.21,290.72 353.24,291.31 352.95,291.84 352.7,292.63 352.26,294.12 352.23,295.23 352.2,296.28 351.93,299.98 351.92,300.28 351.34,301.33 351.04,301.79 350.6,302.52 349.65,303.67 349.3,304.14 UG6.12
G6p13: length 15.3
  Top w0.15: UG6.13 345.62,304.05 345.53,303.62 345.07,302.29 344.74,301.3 344.74,298.45 344.58,298.29 344.74,295.78 344.72,295.02 344.95,294.06 345.13,293.51 345.5,292.5 345.83,291.84 v1(346.79,290.78) 346.69,290.82
G7p6: length 6.5
  Top w0.15: 392.92,293.76 393.21,292.63 393.18,292.12 393.32,291.39 393.3,291.37 ; 392.99,293.43 392.68,294.89 UG7.6 ; 393.3,291.37 393.25,291.31 v1(393.3,291.31) 393.3,291.37
G7p10: length 14.7
  Top w0.15: UG7.10 389.93,305.78 389.71,306.35 389.11,306.93 388.7,307.45 388.54,307.69 387.51,309.46 387.03,310.24 386.77,310.78 386.47,311.78 386.45,312.29 386.45,318.37 v1(386.42,318.41) 386.45,318.44 386.45,318.52
G8p9: length 13.5
  Top w0.15: UG8.9 428.4,305.97 427.59,306.9 427.59,306.95 426.88,307.46 426,307.83 425.31,308.07 423.92,308.21 422.48,308.21 421.86,308.1 420.68,307.76 419.88,307.26 419.27,306.49 419.15,306.25 UG8.13
G8p10: length 11.1
  Top w0.15: 427.44,301.89 427.17,302.56 UG8.10 ; 427.68,293.95 427.68,294.12 v1(427.66,294.15) 427.61,301.11 427.42,301.98
G8p11: length 10.2
  Top w0.15: 422.67,294.81 422.57,294.91 v1(422.57,294.94) 422.57,301.19 422.87,302.35 UG8.11
H0p2: length 19.4
  Top w0.25: UH0.2 112.37,280.94 111.38,277.85 111.5,275.05 111.35,274.91 111.35,270.44 111.51,269.41 111.39,267.96 111.22,267 110.35,264.43 109.94,264.22 UJ0.1
H0p8: length 3
  Top w0.25: UH0.8 125.23,292.95 JP1.2
H0p9: length 3.3
  Top w0.25: JP2.2 122.97,292.86 122.97,291.84 ; 122.99,292.01 122.97,291.84 ; 122.97,291.84 UH0.9
H0p10: length 3
  Top w0.25: JP3.2 120.15,292.87 UH0.10
H0p11: length 3
  Top w0.25: JP4.2 117.83,292.94 117.83,292 UH0.11
H0p12: length 3
  Top w0.25: JP5.2 115.27,292.98 115.27,291.9 UH0.12
H0p13: length 3.1
  Top w0.25: UH0.13 112.53,292.8 JP6.2
H1p3: length 7.9
  Top w0.15: UH1.3 152.63,279.93 152.49,278.81 152.15,277.24 151.89,276.38 v1(151.81,275.23) 151.89,275.19 152,275.08
H1p5: length 13
  Top w0.15: UJ1.8 163.33,272.55 161.36,274.78 160.73,276.12 160.35,276.79 159.57,278.14 158.6,280.6 UH1.5
H1p10: length 19.3
  Top w0.15: UH1.10 158.27,291.56 157.66,292.49 157.03,293.1 156.18,293.67 154.57,293.92 153.32,293.81 152.41,293.6 152.01,293.12 151.85,291.78 151.98,289.95 151.83,288.26 151.65,287.43 151.24,285.13 150.94,284.13 UH1.2
H1p11: length 7.6
  Top w0.15: UH1.11 UH1.4
H2p1: length 4.7
  Top w0.15: 188.58,277.92 188.58,277.93 v1(188.63,277.98) 188.58,278.02 UH2.1
H2p12: length 14.6
  Top w0.15: UH2.5 198.38,283.99 197.71,284.83 197.27,285.56 196.51,286.59 ; 196.51,286.59 195.9,286.59 194.18,284.7 UH2.3 ; 196.51,286.59 196.17,287.06 195.19,288.42 193.66,290.2 UH2.12
H3p4: length 11.2
  Top w0.15: 237.78,293.65 v1(237.78,293.61) 237.82,293.61 237.66,288.25 237.59,287.71 237.41,285.86 237.05,284.51 UH3.4
H3p5: length 6.5
  Top w0.15: 238.87,276.2 v1(238.87,276.38) 238.87,281.09 239.17,281.4 UH3.5
H3p9: length 7.6
  Top w0.15: UH3.9 241.57,288.47 241.55,285.55 UH3.6
H3p12: length 19.5
  Top w0.15: UJ3.13 231.79,273.14 232.02,273.76 232.39,275.35 232.7,276.62 232.87,280.62 232.84,280.99 232.87,282.17 232.87,286.58 233.07,288.38 233.25,288.98 UH3.12
H4p6: length 6.3
  Top w0.15: C11.1 271.44,276.18 271.83,276.63 272.08,277.09 272.76,277.93 273.06,278.43 274.23,279.8 UH4.6
H4p7: length 7
  Top w0.15: R67.1 276.86,275.14 C11.2 276.97,275.26 276.97,277.21 276.89,277.4 276.81,277.99 276.82,278.67 UH4.7
H4p12: length 19.5
  Top w0.15: UG4.10 276.77,304.77 276.2,304.29 275.99,303.84 275.65,303.17 275.53,302.79 275.43,302.22 275.4,300.89 275.34,296.96 275.42,295.54 275.42,295.18 275.22,293.57 274.81,292.68 274.32,291.85 273.66,290.84 272.79,289.84 271.69,288.64 UH4.12
H4p14: length 5.5
  Top w0.15: UH4.14 266.61,289.13 266.79,289.74 267.34,290.33 268.46,290.71 C56.2
H4p15: length 3.1
  Top w0.15: C56.1 264.07,289.98 UH4.15
H5p5: length 4.9
  Top w0.15: 308.74,275.09 308.74,275.13 v1(308.8,275.19) 308.74,275.26 308.74,278.65 308.74,278.75 308.77,279.04 UH5.5
H5p6: length 13.9
  Top w0.15: 298.79,282.5 v1(298.82,282.58) 305.26,282.68 306.79,282.74 307.29,282.74 308.25,282.64 309.11,282.39 309.81,281.99 310.47,281.56 310.93,280.87 UH5.6
H5p12: length 5.3
  Top w0.15: 303.86,292.72 303.86,292.67 v1(303.83,292.65) 303.86,292.62 303.86,290.52 ; UH5.12 303.72,288.54 303.69,288.94 303.86,290.56
H6p13: length 5.5
  Top w0.15: UH6.13 346.28,286.39 346.56,285.23 346.73,283.21 346.91,283.03 346.91,282.47 v1(346.87,282.43) 346.91,282.39 346.91,282.26 346.93,282.24
H7p3: length 10.4
  Top w0.15: 384.86,279.59 385.08,279.37 385.34,278.44 385.59,277.83 385.64,277.83 385.78,277.42 386.76,276.04 386.8,275.89 386.89,275.76 387.22,275.45 387.72,274.92 387.9,274.57 388.23,274.2 389.21,272.76 389.74,271.89 UJ7.12
H7p12: length 9.2
  Top w0.15: 384.86,287.21 386.02,285.48 ; 389.94,279.59 389.53,280.48 389.36,280.81 389.19,281.33 388.69,282.15 387.76,283.25 387.44,283.72 387.03,284.26 386.04,285.48
J0p3: length 2.5
  Top w0.25: 115.23,261.23 v3(115.15,261.23) 115.15,261.31 115.02,261.44 UJ0.3
J0p10: length 14.3
  Top w0.25: 120.28,275.87 120.31,275.9 v1(120.31,275.85) 120.25,275.85 120.34,274.62 UJ0.10 119.5,269.77 118.2,269.27 117.35,269.25 115.86,269.22 114.79,269.27 113.84,269.7 112.99,270.29 112.48,271.22
J1p1: length 25.8
  Top w0.15: UJ1.1 148.44,262.48 148.76,261.43 148.99,260.51 149.09,259.45 149.35,254.8 149.29,253.91 149.39,252.59 149.46,252.41 149.3,251.86 149.35,250.41 148.97,249.11 UK1.1 148.17,245.32 148.27,244.65 148.44,243.73 148.89,241.45 149.17,240.31 149.5,238.39 149.55,238.35 v1(149.59,238.35) 149.59,238.3
J1p11: length 8.4
  Top w0.15: UJ1.11 155.79,272.73 155.54,273.6 155.52,274.27 155.21,275.13 155,276.81 154.73,278 154.45,278.74 154.45,279.16 v1(154.49,279.19) 154.45,279.23 154.45,279.25
J1p13: length 70.9
  Top w0.15: 152.07,262.22 152.08,263.99 152,264.07 151.73,267.97 151.11,270.06 UJ1.13 ; UM1.13 150.73,206.73 150.73,206.74 150.13,208.34 149.7,211.64 149.78,213.19 149.66,213.32 149.66,214.88 149.81,215.03 149.72,215.11 149.72,218.04 150.05,219.26 UL1.13 150.73,223.11 154.98,227.85 155.23,232.62 154.98,233.65 155.15,233.93 154.2,236.12 153.36,237.02 v1(153.3,237.07) 153.36,237.12 153.36,237.26 151.13,240.43 150.56,241.54 149.53,243.82 149.29,247.53 150.35,249.84 151.27,251.52 151.92,253.28 152.09,256.06 152.11,256.07 151.97,260.76 152.08,262.47
J2p4: length 9.5
  Top w0.15: UK2.12 193.71,256.05 194.45,258.06 195.02,260.03 195.83,261.62 UJ2.4
J2p10: length 4.8
  Top w0.15: v1(201.89,268.17) 201.82,268.24 201.82,268.27 ; v1(201.89,268.17) 201.82,268.1 201.82,268.07 ; v1(201.89,268.17) 201,268.79 200.01,269.43 199.39,269.81 UJ2.10
J2p11: length 6.9
  Top w0.15: 196.18,277.77 v1(196.2,277.86) 196.32,275.55 196.42,271.39 UJ2.11
J2p12: length 10.3
  Top w0.15: UJ2.12 195.15,269.43 196.25,267.76 196.9,266.7 197.1,266.26 197.75,265.37 198.39,264.51 UJ2.5 198.37,264.58
J2p13: length 6.7
  Top w0.15: UJ2.13 v1(191.05,277.74) 191.12,277.77 191.16,277.81
J3p3: length 65.5
  Top w0.15: UF3.14 233.63,323.79 232.79,323.26 232.12,322.93 231.39,322.48 230.74,321.87 230.34,320.91 230.22,320.2 230.15,311.77 230.88,310.37 231.35,309.52 UG3.13 230.97,306.28 230.84,305.88 230.64,305.46 230.35,304.23 229.81,302.51 UG3.1 229.55,299.25 229.73,298.86 230.05,298.26 230.24,297.05 230.32,296.02 230.32,282.29 ; 230.32,282.42 230.25,270.05 230.39,269.72 230.42,268.92 230.61,268.34 231.24,267.36 232.56,265.82 233.48,264.82 UJ3.3
J3p8: length 17.9
  Top w0.15: 243.63,253.61 v1(243.71,253.69) 243.51,254.44 243.15,257.19 243,258.4 242.91,262.22 242.94,262.24 242.91,262.27 242.92,267.6 243.43,269.24 243.71,269.99 UJ3.8
J3p11: length 46.9
  Top w0.15: UJ3.11 237.25,269.89 237.75,268.64 237.9,266.85 237.89,265.86 237.96,261.63 237.93,261.7 237.84,255.39 237.73,252.8 237.7,248.1 237.68,245.33 237.67,243.85 237.67,240.31 235.85,234.66 235.51,231.61 235.34,228.89 236.75,226.78 237.09,226.55 237.54,226.05 237.64,225.94 v1(237.74,225.94) 237.74,225.85 237.8,225.78
J7p6: length 5.1
  Top w0.15: UJ7.6 392.05,262.71 391.94,261.69 391.52,260.86 391.46,260.48 391.21,259.66 C47.2
K0p1: length 6
  Top w0.25: UK0.1 115.39,243.27 C57.1
K0p5: length 6.1
  Top w0.25: UK0.5 124.98,241.18 C64.1
K0p10: length 4.3
  Top w0.25: UK0.10 125.55,252.24 125.55,253.36 125.48,254.54 C72.1
K1p5: length 5
  Top w0.15: UK1.5 158.25,242.46 158.42,242.3 v1(158.42,242.26) 158.45,242.26 158.49,242.22
K1p9: length 14.2
  Top w0.15: UK1.2 151.82,250.12 153.14,250.83 154.58,251.08 157.23,251.23 158.27,251.77 159.64,252.38 160.5,253.42 UK1.9
K1p10: length 24.9
  Top w0.15: 157.08,277.75 157.08,277.86 ; 157.08,277.75 v1(157.12,279.22) 157.08,279.2 ; 157.08,277.75 157.08,276.1 157.08,275.37 157.17,275.35 156.95,271.21 157.06,269.65 157,268.6 157.04,264.09 157,262.44 156.88,261.54 157.02,260.14 157.11,258.44 157.55,256.68 UK1.10
K2p2: length 13.8
  Top w0.15: 189.89,260.38 189.89,260.34 v1(189.93,260.31) 189.89,260.28 189.89,252.79 190.1,250.33 190.47,249.51 190.78,248.38 191.16,247.74 191.17,247.72 UK2.2
K2p9: length 17.3
  Top w0.15: 202.51,237.68 v1(202.45,237.78) 202.59,251.71 202.5,252.59 202.28,253.46 UK2.9 201.43,254.44
K2p11: length 33.9
  Top w0.15: UK2.11 197.03,252.25 197.17,251.56 197.48,249.55 197.48,240.46 197.51,240.42 v1(197.52,240.39) 196.83,239.06 195.97,236.25 195.53,232.46 195.56,228.29 194.78,225.8 194.46,225 193.56,223.36 UL2.12
K5p1: length 19.8
  Top w0.15: UL5.4 305.35,214.93 305.05,215.4 304.4,216.09 304.15,216.48 303.71,217.1 303.38,217.54 302.72,218.87 302.61,220.5 302.61,220.82 302.54,224.15 302.45,224.98 302.32,225.74 302.06,226.29 301.87,226.68 301.67,227.12 300.82,228.32 300.18,229.05 299.94,229.4 299.44,229.99 299.05,230.48 298.83,230.99 UK5.1
K5p3: length 19.9
  Top w0.15: UK5.3 303.87,230.58 304.33,230.02 304.88,229.49 305.97,228.35 306.36,228 307.2,227.24 307.59,226.85 308.28,226.17 308.99,225.15 309.3,224.6 309.55,223.92 309.79,223.08 309.99,222.08 310.08,219.93 310.08,219.15 310.13,218.09 310.15,217.26 310.55,215.84 310.77,215 UL5.6
K5p5: length 18.8
  Top w0.15: UK5.5 308.93,230.26 309.17,229.58 309.4,229.25 309.73,228.79 310.2,228.13 310.92,227.06 311.13,226.67 311.49,226.21 311.91,225.46 312.06,224.92 312.36,224.07 312.44,220.91 312.38,219.27 312.36,219.29 v1(312.36,219.24) 312.41,219.24 312.45,219.2 312.27,218.65 312.24,218.09 312.48,217.43 312.85,215.94 313.34,214.93 UL5.7
K5p13: length 27.2
  Top w0.15: UK5.13 301.48,238.11 301.92,237 302.26,235.43 302.32,234.75 302.27,231.77 302.52,229.27 303.35,227.85 303.9,226.8 304.82,224.68 305.14,219.12 305.35,218.01 305.53,217.36 306.14,216.79 307.2,215.89 307.84,215.36 308.25,214.85 UL5.5
K6p4: length 13.4
  Top w0.15: 347.03,233.84 v1(347.03,233.97) 347.03,234.54 347.2,235.29 347.51,236.52 348.16,238.09 348.74,240 349.09,241.26 349.56,242.84 349.76,243.17 350.02,244.34 350.43,245.46 UK6.4
K6p6: length 5.5
  Top w0.15: C49.2 354.49,242.73 354.84,243.51 355.15,244.18 355.47,245.55 355.39,246.25 UK6.6
K6p7: length 5.6
  Top w0.15: UK6.7 358.16,246.48 358.52,245.54 358.68,245.15 358.71,245.15 358.85,244.81 359.19,244.23 359.5,243.46 360.03,242.72 C49.1
K6p14: length 5.9
  Top w0.15: UK6.14 348.21,255.57 348.33,255.92 348.68,256.57 348.88,256.79 349.28,257.13 349.61,257.2 350.58,257.27 351.61,257.27 C50.1
K6p15: length 2.7
  Top w0.15: C50.2 345.67,256.85 UK6.15
K7p2: length 12.6
  Top w0.15: UK7.2 382.22,246.77 382.26,247.39 382.07,248.24 381.79,249.41 381.67,250.75 381.13,252.91 381.13,255.04 381.32,256.29 381.25,258.49 v1(381.06,258.68)
K7p9: length 33.1
  Top w0.15: UL7.8 393.93,228.62 393.65,232.88 393.45,235.89 393.28,237.59 393.34,240.19 393.37,241.67 393.49,243.42 393.54,249.57 393.34,251.34 393.25,252.12 392.79,253.03 UK7.9
K7p12: length 7.7
  Top w0.15: 390.77,249.85 390.76,249.87 v1(390.76,249.9) 390.72,249.9 390.43,250.2 389.84,250.53 389.35,250.6 388.87,250.93 387.88,251.19 387.08,251.73 386.27,252.12 384.76,253.28 UK7.12
K7p13: length 9.3
  Top w0.15: UK7.4 386.61,248.08 385.66,249.27 385.17,249.87 384.25,250.68 383.65,251.46 383.44,251.81 382.97,252.63 UK7.13
K8p1: length 54
  Top w0.15: UK8.1 416.31,245.13 416.49,244.13 416.55,243.25 416.83,240.8 417.02,239.49 417.29,238.06 417.74,235.45 418.12,234.2 418.48,232.86 418.73,231.73 419.08,230.52 419.89,227.26 420.4,224.81 420.82,223.54 421.16,221.57 421.75,219.7 422.3,217.57 422.83,215.89 423.23,213.99 423.4,213.1 423.55,212.37 424.47,209.24 424.56,208.46 424.75,207.79 424.71,207.8 424.96,206.98 425.33,205.98 425.2,205.49 UM8.12 425.82,203.71 426.35,202.69 427.04,202.16 427.51,201.95 428.42,201.51 429.07,201.4 430.2,201.31 431.48,201.85 432.28,202.95 UM8.9
